# KiCad board fuyu.kicad_pcb (continued)
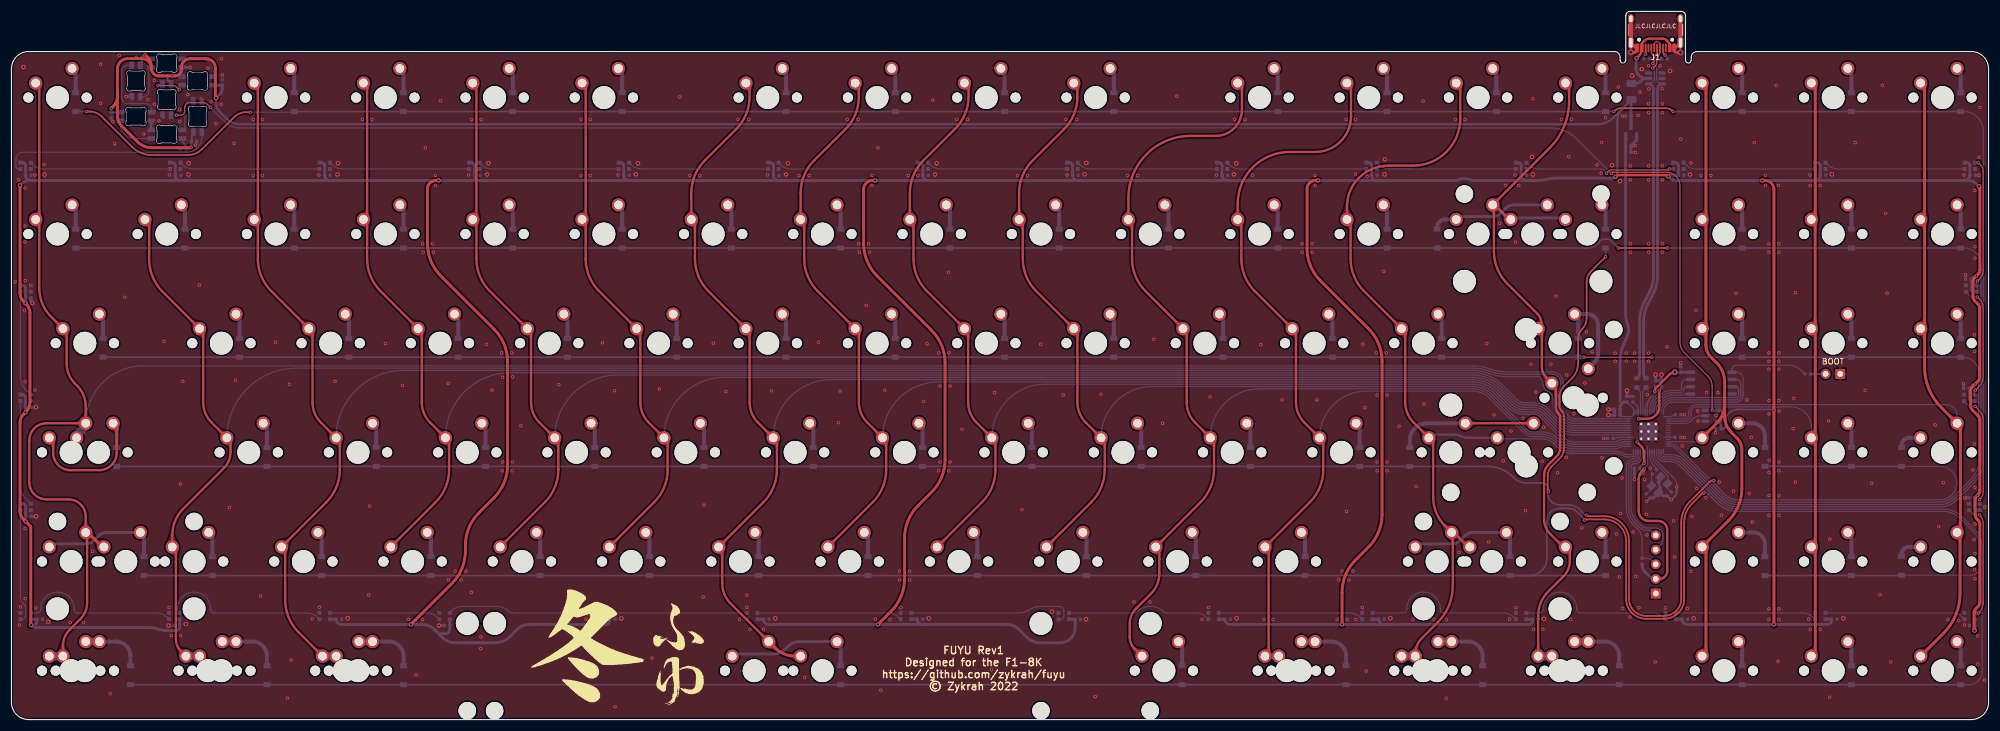
[diagram p0: board, top side]
## Copper pours and planes (outline as drawn; the poured copper is in the pictures) (continued)
COL2 on Bottom: 54.31,10.31 54.57,10.31 54.79,10.31 54.99,10.31 55.17,10.3 55.33,10.28 55.48,10.25 55.63,10.22 55.78,10.17 55.93,10.11 56.1,10.03 57.18,11.06 56.1,12.1 55.93,12.02 55.78,11.96 55.63,11.91 55.48,11.88 55.33,11.85 55.17,11.83 54.99,11.82 54.79,11.82 54.57,11.82 54.31,11.81
COL2 on Bottom: 56.73,51.47 56.66,51.19 56.58,50.97 56.48,50.79 56.37,50.65 56.25,50.51 56,50.26 55.86,50.11 55.73,49.94 55.59,49.72 56.57,48.59 57.66,49.62 57.55,49.84 57.43,50.02 57.32,50.18 57.2,50.32 57.09,50.46 57,50.61 56.94,50.77 56.9,50.95 56.89,51.17 56.92,51.43
COL2 on Bottom: 56.51,11.81 56.26,11.82 56.03,11.82 55.84,11.82 55.66,11.83 55.5,11.85 55.34,11.88 55.19,11.91 55.04,11.96 54.89,12.02 54.72,12.1 53.65,11.06 54.72,10.03 54.89,10.11 55.04,10.17 55.19,10.22 55.34,10.25 55.5,10.28 55.66,10.3 55.84,10.31 56.03,10.31 56.26,10.31 56.51,10.31
COL3 on Top: 71.73,66.1 71.73,66.39 71.76,66.64 71.79,66.85 71.84,67.04 71.88,67.21 71.93,67.37 71.97,67.55 72.01,67.74 72.03,67.96 72.04,68.22 70.57,68.7 70.3,67.23 70.47,67.13 70.63,67.05 70.78,66.98 70.91,66.9 71.03,66.82 71.13,66.73 71.21,66.61 71.27,66.48 71.31,66.31 71.33,66.1
COL3 on Top: 61.8,89.38 61.79,89.17 61.75,89 61.69,88.87 61.61,88.75 61.5,88.66 61.38,88.58 61.25,88.5 61.1,88.43 60.94,88.35 60.78,88.25 61.05,86.78 62.52,87.27 62.51,87.52 62.48,87.74 62.45,87.93 62.4,88.11 62.36,88.27 62.31,88.44 62.27,88.63 62.23,88.84 62.21,89.09 62.2,89.38
COL3 on Top: 69.13,69.69 69.31,69.49 69.44,69.31 69.53,69.14 69.59,68.97 69.62,68.81 69.64,68.64 69.66,68.47 69.69,68.28 69.73,68.07 69.8,67.84 71.3,67.81 71.27,69.3 71.04,69.37 70.83,69.41 70.64,69.44 70.46,69.46 70.29,69.48 70.13,69.52 69.97,69.58 69.79,69.66 69.61,69.79 69.41,69.98
COL3 on Top: 76.49,47.05 76.5,47.34 76.52,47.59 76.56,47.8 76.6,47.99 76.64,48.16 76.69,48.32 76.73,48.5 76.77,48.69 76.79,48.91 76.8,49.17 75.34,49.65 75.06,48.18 75.23,48.08 75.39,48 75.54,47.93 75.67,47.85 75.79,47.77 75.89,47.68 75.97,47.56 76.04,47.43 76.07,47.26 76.09,47.05
COL3 on Top: 67.61,31.88 67.41,31.69 67.22,31.56 67.05,31.48 66.89,31.42 66.72,31.38 66.56,31.36 66.38,31.34 66.19,31.31 65.98,31.27 65.75,31.2 65.72,29.71 67.21,29.74 67.28,29.97 67.33,30.18 67.35,30.37 67.37,30.54 67.4,30.71 67.43,30.87 67.49,31.04 67.58,31.21 67.71,31.39 67.89,31.59
COL3 on Top: 73.89,50.64 74.07,50.44 74.2,50.26 74.29,50.09 74.35,49.92 74.38,49.76 74.41,49.59 74.43,49.42 74.45,49.23 74.5,49.02 74.57,48.79 76.06,48.76 76.03,50.25 75.8,50.32 75.59,50.36 75.4,50.39 75.22,50.41 75.06,50.43 74.89,50.47 74.73,50.53 74.56,50.61 74.37,50.74 74.17,50.93
COL3 on Top: 62.2,108.96 62.21,109.26 62.23,109.5 62.27,109.71 62.31,109.9 62.36,110.07 62.4,110.23 62.45,110.41 62.48,110.6 62.51,110.82 62.52,111.08 61.05,111.56 60.78,110.09 60.94,110 61.1,109.91 61.25,109.84 61.38,109.76 61.5,109.68 61.61,109.59 61.69,109.48 61.75,109.34 61.79,109.17 61.8,108.96
COL3 on Top: 62.2,85.15 62.21,85.44 62.23,85.69 62.27,85.9 62.31,86.09 62.36,86.26 62.4,86.42 62.45,86.6 62.48,86.79 62.51,87.01 62.52,87.27 61.05,87.75 60.78,86.28 60.94,86.18 61.1,86.1 61.25,86.03 61.38,85.95 61.5,85.87 61.61,85.78 61.69,85.66 61.75,85.53 61.79,85.36 61.8,85.15
COL3 on Bottom: 75.79,51.47 75.72,51.19 75.63,50.97 75.53,50.79 75.42,50.65 75.3,50.52 75.05,50.26 74.91,50.12 74.78,49.94 74.64,49.72 75.62,48.59 76.71,49.61 76.6,49.83 76.49,50.02 76.37,50.18 76.25,50.32 76.15,50.46 76.06,50.61 75.99,50.77 75.95,50.95 75.95,51.17 75.98,51.43
COL4 on Top: 81.25,108.96 81.26,109.26 81.28,109.5 81.32,109.71 81.36,109.9 81.41,110.07 81.45,110.23 81.5,110.41 81.53,110.6 81.56,110.82 81.56,111.08 80.1,111.56 79.83,110.09 79.99,110 80.15,109.91 80.3,109.84 80.43,109.76 80.55,109.68 80.66,109.59 80.74,109.48 80.8,109.34 80.84,109.17 80.85,108.96
COL4 on Top: 95.54,47.05 95.55,47.34 95.57,47.59 95.61,47.8 95.65,47.99 95.7,48.16 95.74,48.32 95.78,48.5 95.82,48.69 95.84,48.91 95.85,49.17 94.39,49.65 94.11,48.18 94.28,48.08 94.44,48 94.59,47.93 94.72,47.85 94.84,47.77 94.94,47.68 95.02,47.56 95.09,47.43 95.12,47.26 95.14,47.05
COL4 on Top: 86.66,31.88 86.46,31.69 86.27,31.56 86.1,31.48 85.94,31.42 85.77,31.38 85.61,31.36 85.43,31.34 85.24,31.31 85.03,31.27 84.8,31.2 84.77,29.71 86.26,29.74 86.33,29.97 86.38,30.18 86.4,30.37 86.42,30.54 86.45,30.71 86.48,30.87 86.54,31.04 86.63,31.21 86.76,31.39 86.94,31.59
COL4 on Top: 88.18,69.69 88.36,69.49 88.49,69.31 88.58,69.14 88.64,68.97 88.67,68.81 88.69,68.64 88.71,68.47 88.74,68.28 88.78,68.07 88.85,67.84 90.35,67.81 90.32,69.3 90.09,69.37 89.88,69.41 89.69,69.44 89.51,69.46 89.34,69.48 89.18,69.52 89.02,69.58 88.84,69.66 88.66,69.79 88.46,69.98
COL4 on Top: 90.77,66.1 90.78,66.39 90.81,66.64 90.84,66.85 90.89,67.04 90.93,67.21 90.98,67.37 91.02,67.55 91.06,67.74 91.08,67.96 91.09,68.22 89.62,68.7 89.35,67.23 89.52,67.13 89.68,67.05 89.83,66.98 89.96,66.9 90.08,66.82 90.18,66.73 90.26,66.61 90.32,66.48 90.36,66.31 90.38,66.1
COL4 on Top: 81.25,85.15 81.26,85.44 81.28,85.69 81.32,85.9 81.36,86.09 81.41,86.26 81.45,86.42 81.5,86.6 81.53,86.79 81.56,87.01 81.56,87.27 80.1,87.75 79.83,86.28 79.99,86.18 80.15,86.1 80.3,86.03 80.43,85.95 80.55,85.87 80.66,85.78 80.74,85.66 80.8,85.53 80.84,85.36 80.85,85.15
COL4 on Top: 92.94,50.64 93.12,50.44 93.25,50.26 93.34,50.09 93.4,49.92 93.43,49.76 93.46,49.59 93.48,49.42 93.5,49.23 93.55,49.02 93.62,48.79 95.11,48.76 95.08,50.25 94.85,50.32 94.64,50.36 94.45,50.39 94.27,50.41 94.11,50.43 93.94,50.47 93.78,50.53 93.61,50.61 93.42,50.74 93.22,50.93
COL4 on Top: 80.85,89.38 80.84,89.17 80.8,89 80.74,88.87 80.66,88.75 80.55,88.66 80.43,88.58 80.3,88.5 80.15,88.43 79.99,88.35 79.83,88.25 80.1,86.78 81.56,87.27 81.56,87.52 81.53,87.74 81.5,87.93 81.45,88.11 81.41,88.27 81.36,88.44 81.32,88.63 81.28,88.84 81.26,89.09 81.25,89.38
COL4 on Bottom: 94.85,51.47 94.77,51.19 94.69,50.97 94.59,50.79 94.48,50.65 94.36,50.52 94.23,50.39 94.1,50.26 93.97,50.12 93.83,49.94 93.7,49.72 94.67,48.59 95.76,49.61 95.65,49.83 95.54,50.02 95.42,50.18 95.3,50.32 95.2,50.46 95.11,50.61 95.04,50.77 95.01,50.95 95,51.17 95.04,51.43
COL5 on Top: 114.59,47.05 114.6,47.34 114.62,47.59 114.66,47.8 114.7,47.99 114.74,48.16 114.79,48.32 114.83,48.5 114.87,48.69 114.89,48.91 114.9,49.17 113.44,49.65 113.16,48.18 113.33,48.08 113.49,48 113.64,47.93 113.77,47.85 113.89,47.77 113.99,47.68 114.07,47.56 114.14,47.43 114.17,47.26 114.19,47.05
COL5 on Top: 100.3,85.15 100.31,85.44 100.33,85.69 100.37,85.9 100.41,86.09 100.46,86.26 100.5,86.42 100.55,86.6 100.58,86.79 100.61,87.01 100.61,87.27 99.15,87.75 98.88,86.28 99.04,86.18 99.2,86.1 99.35,86.03 99.48,85.95 99.6,85.87 99.71,85.78 99.79,85.66 99.85,85.53 99.89,85.36 99.9,85.15
COL5 on Top: 105.71,31.88 105.51,31.69 105.32,31.56 105.15,31.48 104.99,31.42 104.82,31.38 104.66,31.36 104.48,31.34 104.29,31.31 104.08,31.27 103.85,31.2 103.82,29.71 105.31,29.74 105.38,29.97 105.43,30.18 105.45,30.37 105.47,30.54 105.5,30.71 105.53,30.87 105.59,31.04 105.68,31.21 105.81,31.39 105.99,31.59
COL5 on Top: 99.9,89.38 99.89,89.17 99.85,89 99.79,88.87 99.71,88.75 99.6,88.66 99.48,88.58 99.35,88.5 99.2,88.43 99.04,88.35 98.88,88.25 99.15,86.78 100.61,87.27 100.61,87.52 100.58,87.74 100.55,87.93 100.5,88.11 100.46,88.27 100.41,88.44 100.37,88.63 100.33,88.84 100.31,89.09 100.3,89.38
COL5 on Top: 111.99,50.64 112.17,50.44 112.3,50.26 112.39,50.09 112.45,49.92 112.48,49.76 112.51,49.59 112.53,49.42 112.55,49.23 112.6,49.02 112.67,48.79 114.16,48.76 114.13,50.25 113.9,50.32 113.69,50.36 113.5,50.39 113.32,50.41 113.16,50.43 112.99,50.47 112.83,50.53 112.66,50.61 112.47,50.74 112.27,50.93
COL5 on Top: 107.23,69.69 107.41,69.49 107.54,69.31 107.63,69.14 107.69,68.97 107.72,68.81 107.74,68.64 107.76,68.47 107.79,68.28 107.83,68.07 107.9,67.84 109.4,67.81 109.37,69.3 109.14,69.37 108.93,69.41 108.74,69.44 108.56,69.46 108.39,69.48 108.23,69.52 108.07,69.58 107.89,69.66 107.71,69.79 107.51,69.98
COL5 on Top: 109.83,66.1 109.83,66.39 109.86,66.64 109.89,66.85 109.94,67.04 109.98,67.21 110.03,67.37 110.07,67.55 110.11,67.74 110.13,67.96 110.14,68.22 108.67,68.7 108.4,67.23 108.57,67.13 108.73,67.05 108.88,66.98 109.01,66.9 109.13,66.82 109.23,66.73 109.31,66.61 109.37,66.48 109.41,66.31 109.42,66.1
COL5 on Top: 100.3,108.96 100.31,109.26 100.33,109.5 100.37,109.71 100.41,109.9 100.46,110.07 100.5,110.23 100.55,110.41 100.58,110.6 100.61,110.82 100.61,111.08 99.15,111.56 98.88,110.09 99.04,110 99.2,109.91 99.35,109.84 99.48,109.76 99.6,109.68 99.71,109.59 99.79,109.48 99.85,109.34 99.89,109.17 99.9,108.96
COL5 on Bottom: 113.9,51.47 113.83,51.19 113.74,50.97 113.64,50.79 113.53,50.65 113.41,50.52 113.28,50.39 113.15,50.27 113.02,50.12 112.88,49.94 112.75,49.72 113.72,48.59 114.81,49.61 114.71,49.83 114.59,50.01 114.47,50.17 114.36,50.32 114.25,50.46 114.16,50.61 114.1,50.76 114.06,50.95 114.06,51.16 114.1,51.43
COL6 on Top: 126.28,69.69 126.46,69.49 126.59,69.31 126.68,69.14 126.74,68.97 126.77,68.81 126.79,68.64 126.81,68.47 126.84,68.28 126.88,68.07 126.95,67.84 128.45,67.81 128.42,69.3 128.19,69.37 127.98,69.41 127.79,69.44 127.61,69.46 127.44,69.48 127.28,69.52 127.12,69.58 126.94,69.66 126.76,69.79 126.56,69.98
COL6 on Top: 124.11,28 124.12,28.29 124.15,28.54 124.18,28.75 124.22,28.94 124.27,29.11 124.32,29.27 124.36,29.45 124.39,29.64 124.42,29.86 124.43,30.12 122.96,30.6 122.69,29.13 122.86,29.03 123.02,28.95 123.16,28.88 123.3,28.8 123.42,28.72 123.52,28.63 123.6,28.51 123.66,28.38 123.7,28.21 123.71,28
COL6 on Top: 128.88,108.96 128.88,109.26 128.91,109.5 128.94,109.71 128.99,109.9 129.03,110.07 129.08,110.23 129.12,110.41 129.16,110.6 129.18,110.82 129.19,111.08 127.72,111.56 127.45,110.09 127.62,110 127.78,109.91 127.93,109.84 128.06,109.76 128.18,109.68 128.28,109.59 128.36,109.48 128.42,109.34 128.46,109.17 128.48,108.96
COL6 on Top: 133.64,47.05 133.65,47.34 133.67,47.59 133.71,47.8 133.75,47.99 133.8,48.16 133.84,48.32 133.88,48.5 133.92,48.69 133.94,48.91 133.95,49.17 132.49,49.65 132.21,48.18 132.38,48.08 132.54,48 132.69,47.93 132.82,47.85 132.94,47.77 133.04,47.68 133.12,47.56 133.19,47.43 133.22,47.26 133.24,47.05
COL6 on Top: 131.04,50.64 131.22,50.44 131.35,50.26 131.44,50.09 131.5,49.92 131.53,49.76 131.56,49.59 131.58,49.42 131.6,49.23 131.65,49.02 131.72,48.79 133.21,48.76 133.18,50.25 132.95,50.32 132.74,50.36 132.55,50.39 132.37,50.41 132.21,50.43 132.04,50.47 131.88,50.53 131.71,50.61 131.52,50.74 131.32,50.93
COL6 on Top: 135.21,11.01 135.48,10.92 135.71,10.84 135.89,10.75 136.05,10.67 136.2,10.57 136.34,10.48 136.48,10.38 136.64,10.27 136.82,10.16 137.04,10.04 138.14,11.05 137.09,12.11 136.88,12 136.71,11.89 136.55,11.78 136.41,11.67 136.27,11.58 136.13,11.5 135.97,11.45 135.8,11.43 135.59,11.44 135.34,11.49
COL6 on Top: 124.76,31.88 124.56,31.69 124.37,31.56 124.2,31.48 124.04,31.42 123.87,31.38 123.71,31.36 123.53,31.34 123.34,31.31 123.13,31.27 122.9,31.2 122.87,29.71 124.36,29.74 124.43,29.97 124.48,30.18 124.5,30.37 124.52,30.54 124.55,30.71 124.58,30.87 124.64,31.04 124.73,31.21 124.86,31.39 125.04,31.59
COL6 on Top: 118.32,89.56 118.3,89.29 118.26,89.06 118.21,88.88 118.13,88.72 118.04,88.58 117.94,88.45 117.83,88.31 117.71,88.16 117.6,87.98 117.48,87.77 118.52,86.69 119.55,87.77 119.43,87.98 119.32,88.16 119.2,88.31 119.09,88.45 118.99,88.58 118.9,88.72 118.82,88.88 118.77,89.06 118.73,89.29 118.71,89.56
COL6 on Top: 119.35,85.15 119.36,85.44 119.38,85.69 119.42,85.9 119.46,86.09 119.51,86.26 119.55,86.42 119.6,86.6 119.63,86.79 119.66,87.01 119.67,87.27 118.2,87.75 117.93,86.28 118.09,86.18 118.25,86.1 118.4,86.03 118.53,85.95 118.65,85.87 118.76,85.78 118.84,85.66 118.9,85.53 118.94,85.36 118.95,85.15
COL6 on Top: 130.25,15.08 130.43,14.88 130.56,14.7 130.65,14.53 130.7,14.36 130.74,14.2 130.76,14.03 130.78,13.86 130.81,13.67 130.85,13.46 130.92,13.23 132.42,13.2 132.39,14.69 132.15,14.76 131.95,14.8 131.76,14.83 131.58,14.85 131.41,14.87 131.25,14.91 131.08,14.97 130.91,15.05 130.73,15.18 130.53,15.37
COL6 on Top: 128.88,66.1 128.88,66.39 128.91,66.64 128.94,66.85 128.99,67.04 129.03,67.21 129.08,67.37 129.12,67.55 129.16,67.74 129.18,67.96 129.19,68.22 127.72,68.7 127.45,67.23 127.62,67.13 127.78,67.05 127.93,66.98 128.06,66.9 128.18,66.82 128.28,66.73 128.36,66.61 128.42,66.48 128.46,66.31 128.48,66.1
COL6 on Top: 134.12,12.03 133.87,12.2 133.68,12.37 133.54,12.54 133.44,12.71 133.37,12.88 133.32,13.07 133.28,13.27 133.23,13.49 133.17,13.72 133.1,13.98 131.6,14.01 131.63,12.52 131.91,12.43 132.14,12.35 132.35,12.29 132.55,12.23 132.73,12.17 132.91,12.1 133.11,12.02 133.32,11.91 133.57,11.77 133.85,11.6
COL6 on Bottom: 132.96,51.47 132.89,51.19 132.8,50.97 132.69,50.79 132.58,50.65 132.46,50.52 132.34,50.4 132.21,50.27 132.07,50.12 131.93,49.94 131.8,49.72 132.77,48.59 133.86,49.61 133.76,49.83 133.64,50.01 133.52,50.17 133.41,50.32 133.3,50.46 133.22,50.6 133.15,50.76 133.12,50.95 133.12,51.16 133.16,51.42
COL7 on Top: 150.09,50.64 150.27,50.44 150.4,50.26 150.49,50.09 150.55,49.92 150.58,49.76 150.61,49.59 150.63,49.42 150.65,49.23 150.7,49.02 150.77,48.79 152.26,48.76 152.23,50.25 152,50.32 151.79,50.36 151.6,50.39 151.42,50.41 151.26,50.43 151.09,50.47 150.93,50.53 150.76,50.61 150.57,50.74 150.37,50.93
COL7 on Top: 137.37,89.56 137.35,89.29 137.31,89.06 137.26,88.88 137.18,88.72 137.09,88.58 136.99,88.45 136.88,88.31 136.76,88.16 136.65,87.98 136.53,87.77 137.56,86.69 138.6,87.77 138.48,87.98 138.37,88.16 138.25,88.31 138.14,88.45 138.04,88.58 137.95,88.72 137.87,88.88 137.82,89.06 137.78,89.29 137.76,89.56
COL7 on Top: 152.69,47.05 152.7,47.34 152.72,47.59 152.76,47.8 152.8,47.99 152.85,48.16 152.89,48.32 152.93,48.5 152.97,48.69 152.99,48.91 153,49.17 151.54,49.65 151.26,48.18 151.43,48.08 151.59,48 151.74,47.93 151.87,47.85 151.99,47.77 152.09,47.68 152.17,47.56 152.24,47.43 152.27,47.26 152.29,47.05
COL7 on Top: 147.93,108.96 147.93,109.26 147.96,109.5 147.99,109.71 148.04,109.9 148.08,110.07 148.13,110.23 148.17,110.41 148.21,110.6 148.23,110.82 148.24,111.08 146.77,111.56 146.5,110.09 146.67,110 146.83,109.91 146.98,109.84 147.11,109.76 147.23,109.68 147.33,109.59 147.41,109.48 147.47,109.34 147.51,109.17 147.52,108.96
COL7 on Top: 145.33,69.69 145.51,69.49 145.64,69.31 145.73,69.14 145.79,68.97 145.82,68.81 145.84,68.64 145.86,68.47 145.89,68.28 145.93,68.07 146,67.84 147.5,67.81 147.47,69.3 147.24,69.37 147.03,69.41 146.84,69.44 146.66,69.46 146.49,69.48 146.33,69.52 146.17,69.58 145.99,69.66 145.81,69.79 145.61,69.98
COL7 on Top: 143.81,31.88 143.61,31.69 143.42,31.56 143.25,31.48 143.09,31.42 142.92,31.38 142.76,31.36 142.58,31.34 142.39,31.31 142.18,31.27 141.95,31.2 141.92,29.71 143.41,29.74 143.48,29.97 143.53,30.18 143.55,30.37 143.57,30.54 143.6,30.71 143.63,30.87 143.69,31.04 143.78,31.21 143.91,31.39 144.09,31.59
COL7 on Top: 138.4,85.15 138.41,85.44 138.43,85.69 138.47,85.9 138.51,86.09 138.56,86.26 138.6,86.42 138.65,86.6 138.68,86.79 138.71,87.01 138.71,87.27 137.25,87.75 136.98,86.28 137.14,86.18 137.3,86.1 137.45,86.03 137.58,85.95 137.7,85.87 137.81,85.78 137.89,85.66 137.95,85.53 137.99,85.36 138,85.15
COL7 on Top: 147.93,66.1 147.93,66.39 147.96,66.64 147.99,66.85 148.04,67.04 148.08,67.21 148.13,67.37 148.17,67.55 148.21,67.74 148.23,67.96 148.24,68.22 146.77,68.7 146.5,67.23 146.67,67.13 146.83,67.05 146.98,66.98 147.11,66.9 147.23,66.82 147.33,66.73 147.41,66.61 147.47,66.48 147.51,66.31 147.52,66.1
COL7 on Bottom: 152.03,51.47 151.94,51.19 151.85,50.97 151.75,50.79 151.64,50.65 151.52,50.52 151.39,50.4 151.26,50.27 151.12,50.12 150.99,49.95 150.85,49.73 151.82,48.59 152.92,49.6 152.81,49.82 152.69,50.01 152.58,50.17 152.46,50.32 152.36,50.46 152.27,50.6 152.21,50.76 152.17,50.95 152.18,51.16 152.22,51.42
COL8 on Top: 157.45,85.15 157.46,85.44 157.48,85.69 157.52,85.9 157.56,86.09 157.61,86.26 157.65,86.42 157.7,86.6 157.73,86.79 157.76,87.01 157.76,87.27 156.3,87.75 156.03,86.28 156.19,86.18 156.35,86.1 156.5,86.03 156.63,85.95 156.75,85.87 156.86,85.78 156.94,85.66 157,85.53 157.04,85.36 157.05,85.15
COL8 on Top: 171.74,47.05 171.75,47.34 171.77,47.59 171.81,47.8 171.85,47.99 171.89,48.16 171.94,48.32 171.98,48.5 172.02,48.69 172.04,48.91 172.05,49.17 170.59,49.65 170.31,48.18 170.48,48.08 170.64,48 170.79,47.93 170.92,47.85 171.04,47.77 171.14,47.68 171.22,47.56 171.29,47.43 171.32,47.26 171.34,47.05
COL8 on Top: 164.38,69.69 164.56,69.49 164.69,69.31 164.78,69.14 164.84,68.97 164.87,68.81 164.89,68.64 164.91,68.47 164.94,68.28 164.98,68.07 165.05,67.84 166.55,67.81 166.52,69.3 166.29,69.37 166.08,69.41 165.89,69.44 165.71,69.46 165.54,69.48 165.38,69.52 165.22,69.58 165.04,69.66 164.86,69.79 164.66,69.98
COL8 on Top: 167.06,109.02 167.06,109.3 167.08,109.54 167.11,109.75 167.14,109.93 167.17,110.1 167.21,110.26 167.24,110.43 167.27,110.61 167.28,110.83 167.29,111.08 165.78,111.53 165.64,110.04 165.8,109.97 165.96,109.9 166.11,109.84 166.24,109.77 166.36,109.7 166.46,109.61 166.54,109.51 166.6,109.38 166.64,109.22 166.66,109.02
COL8 on Top: 162.86,31.88 162.66,31.69 162.47,31.56 162.3,31.48 162.14,31.42 161.97,31.38 161.81,31.36 161.63,31.34 161.44,31.31 161.23,31.27 161,31.2 160.97,29.71 162.46,29.74 162.53,29.97 162.58,30.18 162.6,30.37 162.62,30.54 162.65,30.71 162.68,30.87 162.74,31.04 162.83,31.21 162.96,31.39 163.14,31.59
COL8 on Top: 169.14,50.64 169.32,50.44 169.45,50.26 169.54,50.09 169.6,49.92 169.63,49.76 169.66,49.59 169.68,49.42 169.7,49.23 169.75,49.02 169.82,48.79 171.31,48.76 171.28,50.25 171.05,50.32 170.84,50.36 170.65,50.39 170.47,50.41 170.31,50.43 170.14,50.47 169.98,50.53 169.81,50.61 169.62,50.74 169.42,50.93
COL8 on Top: 166.98,66.1 166.98,66.39 167.01,66.64 167.04,66.85 167.09,67.04 167.13,67.21 167.18,67.37 167.22,67.55 167.26,67.74 167.28,67.96 167.29,68.22 165.82,68.7 165.55,67.23 165.72,67.13 165.88,67.05 166.03,66.98 166.16,66.9 166.28,66.82 166.38,66.73 166.46,66.61 166.52,66.48 166.56,66.31 166.57,66.1
COL8 on Top: 156.42,89.56 156.4,89.29 156.36,89.06 156.31,88.88 156.23,88.72 156.14,88.58 156.04,88.45 155.93,88.31 155.81,88.16 155.7,87.98 155.58,87.77 156.62,86.69 157.65,87.77 157.53,87.98 157.42,88.16 157.3,88.31 157.19,88.45 157.09,88.58 157,88.72 156.92,88.88 156.87,89.06 156.83,89.29 156.81,89.56
COL8 on Bottom: 171.09,51.47 171,51.19 170.91,50.97 170.8,50.8 170.69,50.65 170.57,50.52 170.44,50.4 170.31,50.27 170.18,50.13 170.04,49.95 169.9,49.73 170.87,48.59 171.97,49.6 171.86,49.82 171.75,50.01 171.63,50.17 171.52,50.32 171.41,50.46 171.33,50.6 171.26,50.76 171.23,50.94 171.23,51.16 171.28,51.42
COL9 on Top: 183.43,69.69 183.61,69.49 183.74,69.31 183.83,69.14 183.89,68.97 183.92,68.81 183.94,68.64 183.96,68.47 183.99,68.28 184.03,68.07 184.1,67.84 185.6,67.81 185.57,69.3 185.34,69.37 185.13,69.41 184.94,69.44 184.76,69.46 184.59,69.48 184.43,69.52 184.27,69.58 184.09,69.66 183.91,69.79 183.71,69.98
COL9 on Top: 175.46,89.56 175.45,89.29 175.41,89.06 175.36,88.88 175.28,88.72 175.19,88.58 175.09,88.45 174.98,88.31 174.86,88.16 174.75,87.98 174.63,87.77 175.67,86.69 176.7,87.77 176.58,87.98 176.47,88.16 176.35,88.31 176.24,88.45 176.14,88.58 176.05,88.72 175.97,88.88 175.92,89.06 175.88,89.29 175.87,89.56
COL9 on Top: 190.79,47.05 190.8,47.34 190.82,47.59 190.86,47.8 190.9,47.99 190.94,48.16 190.99,48.32 191.03,48.5 191.07,48.69 191.09,48.91 191.1,49.17 189.64,49.65 189.36,48.18 189.53,48.08 189.69,48 189.84,47.93 189.97,47.85 190.09,47.77 190.19,47.68 190.27,47.56 190.34,47.43 190.37,47.26 190.39,47.05
COL9 on Top: 176.5,85.15 176.51,85.44 176.53,85.69 176.57,85.9 176.61,86.09 176.66,86.26 176.7,86.42 176.75,86.6 176.78,86.79 176.81,87.01 176.81,87.27 175.35,87.75 175.08,86.28 175.24,86.18 175.4,86.1 175.55,86.03 175.68,85.95 175.8,85.87 175.91,85.78 175.99,85.66 176.05,85.53 176.09,85.36 176.1,85.15
COL9 on Top: 186.02,66.1 186.03,66.39 186.06,66.64 186.09,66.85 186.14,67.04 186.18,67.21 186.23,67.37 186.27,67.55 186.31,67.74 186.33,67.96 186.34,68.22 184.87,68.7 184.6,67.23 184.77,67.13 184.93,67.05 185.08,66.98 185.21,66.9 185.33,66.82 185.43,66.73 185.51,66.61 185.57,66.48 185.61,66.31 185.62,66.1
COL9 on Top: 181.91,31.88 181.71,31.69 181.52,31.56 181.35,31.48 181.19,31.42 181.02,31.38 180.86,31.36 180.68,31.34 180.49,31.31 180.28,31.27 180.05,31.2 180.02,29.71 181.51,29.74 181.58,29.97 181.63,30.18 181.65,30.37 181.67,30.54 181.7,30.71 181.73,30.87 181.79,31.04 181.88,31.21 182.01,31.39 182.19,31.59
COL9 on Top: 186.02,108.96 186.03,109.25 186.06,109.5 186.09,109.71 186.14,109.9 186.18,110.07 186.23,110.23 186.27,110.41 186.31,110.6 186.33,110.82 186.34,111.08 184.87,111.56 184.6,110.09 184.77,110 184.93,109.91 185.08,109.84 185.21,109.76 185.33,109.68 185.43,109.59 185.51,109.48 185.57,109.34 185.61,109.17 185.62,108.96
COL9 on Top: 188.19,50.64 188.37,50.44 188.5,50.26 188.59,50.09 188.65,49.92 188.68,49.76 188.71,49.59 188.73,49.42 188.75,49.23 188.8,49.02 188.87,48.79 190.36,48.76 190.33,50.25 190.1,50.32 189.89,50.36 189.7,50.39 189.52,50.41 189.36,50.43 189.19,50.47 189.03,50.53 188.86,50.61 188.67,50.74 188.47,50.93
COL9 on Bottom: 190.15,51.47 190.06,51.19 189.97,50.97 189.86,50.8 189.75,50.65 189.62,50.52 189.5,50.4 189.36,50.27 189.23,50.13 189.09,49.95 188.95,49.73 189.92,48.59 191.02,49.6 190.91,49.82 190.8,50 190.68,50.17 190.57,50.31 190.47,50.45 190.38,50.6 190.32,50.76 190.29,50.94 190.29,51.16 190.34,51.41
COL10 on Top: 207.24,50.64 207.42,50.44 207.55,50.26 207.64,50.09 207.7,49.92 207.73,49.76 207.76,49.59 207.78,49.42 207.8,49.23 207.85,49.02 207.92,48.79 209.41,48.76 209.38,50.25 209.15,50.32 208.94,50.36 208.75,50.39 208.57,50.41 208.41,50.43 208.24,50.47 208.08,50.53 207.91,50.61 207.72,50.74 207.52,50.93
COL10 on Top: 205.07,66.1 205.08,66.39 205.11,66.64 205.14,66.85 205.19,67.04 205.23,67.21 205.28,67.37 205.32,67.55 205.36,67.74 205.38,67.96 205.39,68.22 203.92,68.7 203.65,67.23 203.82,67.13 203.98,67.05 204.13,66.98 204.26,66.9 204.38,66.82 204.48,66.73 204.56,66.61 204.62,66.48 204.66,66.31 204.68,66.1
COL10 on Top: 200.96,31.88 200.76,31.69 200.57,31.56 200.4,31.48 200.24,31.42 200.07,31.38 199.91,31.36 199.73,31.34 199.54,31.31 199.33,31.27 199.1,31.2 199.07,29.71 200.56,29.74 200.63,29.97 200.68,30.18 200.7,30.37 200.72,30.54 200.75,30.71 200.78,30.87 200.84,31.04 200.93,31.21 201.06,31.39 201.24,31.59
COL10 on Top: 200.31,28 200.32,28.29 200.35,28.54 200.38,28.75 200.42,28.94 200.47,29.11 200.52,29.27 200.56,29.45 200.59,29.64 200.62,29.86 200.63,30.12 199.16,30.6 198.89,29.13 199.06,29.03 199.22,28.95 199.36,28.88 199.5,28.8 199.62,28.72 199.72,28.63 199.8,28.51 199.86,28.38 199.9,28.21 199.91,28
COL10 on Top: 195.55,85.15 195.56,85.44 195.58,85.69 195.62,85.9 195.66,86.09 195.71,86.26 195.75,86.42 195.8,86.6 195.83,86.79 195.86,87.01 195.87,87.27 194.4,87.75 194.13,86.28 194.29,86.18 194.45,86.1 194.6,86.03 194.73,85.95 194.85,85.87 194.96,85.78 195.04,85.66 195.1,85.53 195.14,85.36 195.15,85.15
COL10 on Top: 194.94,13.3 195.08,12.94 195.2,12.64 195.31,12.38 195.42,12.15 195.51,11.94 195.6,11.73 195.69,11.52 195.79,11.28 195.89,11.01 196.01,10.69 197.5,10.66 197.47,12.15 197.17,12.24 196.89,12.31 196.63,12.37 196.39,12.43 196.17,12.49 195.97,12.59 195.78,12.72 195.61,12.89 195.45,13.13 195.31,13.45
COL10 on Top: 194.51,89.56 194.5,89.29 194.46,89.06 194.41,88.88 194.33,88.72 194.24,88.58 194.14,88.45 194.03,88.31 193.91,88.16 193.8,87.98 193.68,87.77 194.71,86.69 195.75,87.77 195.63,87.98 195.52,88.16 195.4,88.31 195.29,88.45 195.19,88.58 195.1,88.72 195.02,88.88 194.97,89.06 194.93,89.29 194.92,89.56
COL10 on Top: 202.48,69.69 202.66,69.49 202.79,69.31 202.88,69.14 202.94,68.97 202.97,68.81 202.99,68.64 203.01,68.47 203.04,68.28 203.08,68.07 203.15,67.84 204.65,67.81 204.62,69.3 204.39,69.37 204.18,69.41 203.99,69.44 203.81,69.46 203.64,69.48 203.48,69.52 203.32,69.58 203.14,69.66 202.96,69.79 202.76,69.98
COL10 on Top: 209.84,47.05 209.85,47.34 209.87,47.59 209.91,47.8 209.95,47.99 210,48.16 210.04,48.32 210.08,48.5 210.12,48.69 210.14,48.91 210.15,49.17 208.69,49.65 208.41,48.18 208.58,48.08 208.74,48 208.89,47.93 209.02,47.85 209.14,47.77 209.24,47.68 209.32,47.56 209.39,47.43 209.42,47.26 209.44,47.05
COL10 on Top: 214.71,109.05 214.72,109.33 214.74,109.56 214.76,109.77 214.78,109.94 214.81,110.11 214.84,110.27 214.87,110.44 214.89,110.62 214.91,110.83 214.92,111.08 213.39,111.52 213.3,110.02 213.47,109.96 213.62,109.9 213.77,109.84 213.9,109.78 214.02,109.71 214.12,109.62 214.2,109.52 214.26,109.4 214.3,109.24 214.31,109.05
COL10 on Bottom: 209.21,51.46 209.12,51.19 209.02,50.97 208.92,50.8 208.8,50.65 208.68,50.52 208.55,50.4 208.42,50.28 208.28,50.13 208.14,49.95 208,49.73 208.96,48.59 210.07,49.6 209.97,49.82 209.85,50 209.74,50.16 209.62,50.31 209.52,50.45 209.44,50.6 209.38,50.76 209.35,50.94 209.35,51.16 209.41,51.41
COL11 on Top: 214.6,85.15 214.61,85.44 214.63,85.69 214.67,85.9 214.71,86.09 214.76,86.26 214.8,86.42 214.85,86.6 214.88,86.79 214.91,87.01 214.92,87.27 213.45,87.75 213.18,86.28 213.34,86.18 213.5,86.1 213.65,86.03 213.78,85.95 213.9,85.87 214.01,85.78 214.09,85.66 214.15,85.53 214.19,85.36 214.2,85.15